# KiCad board KlusterLab r2.0.kicad_pcb (continued)
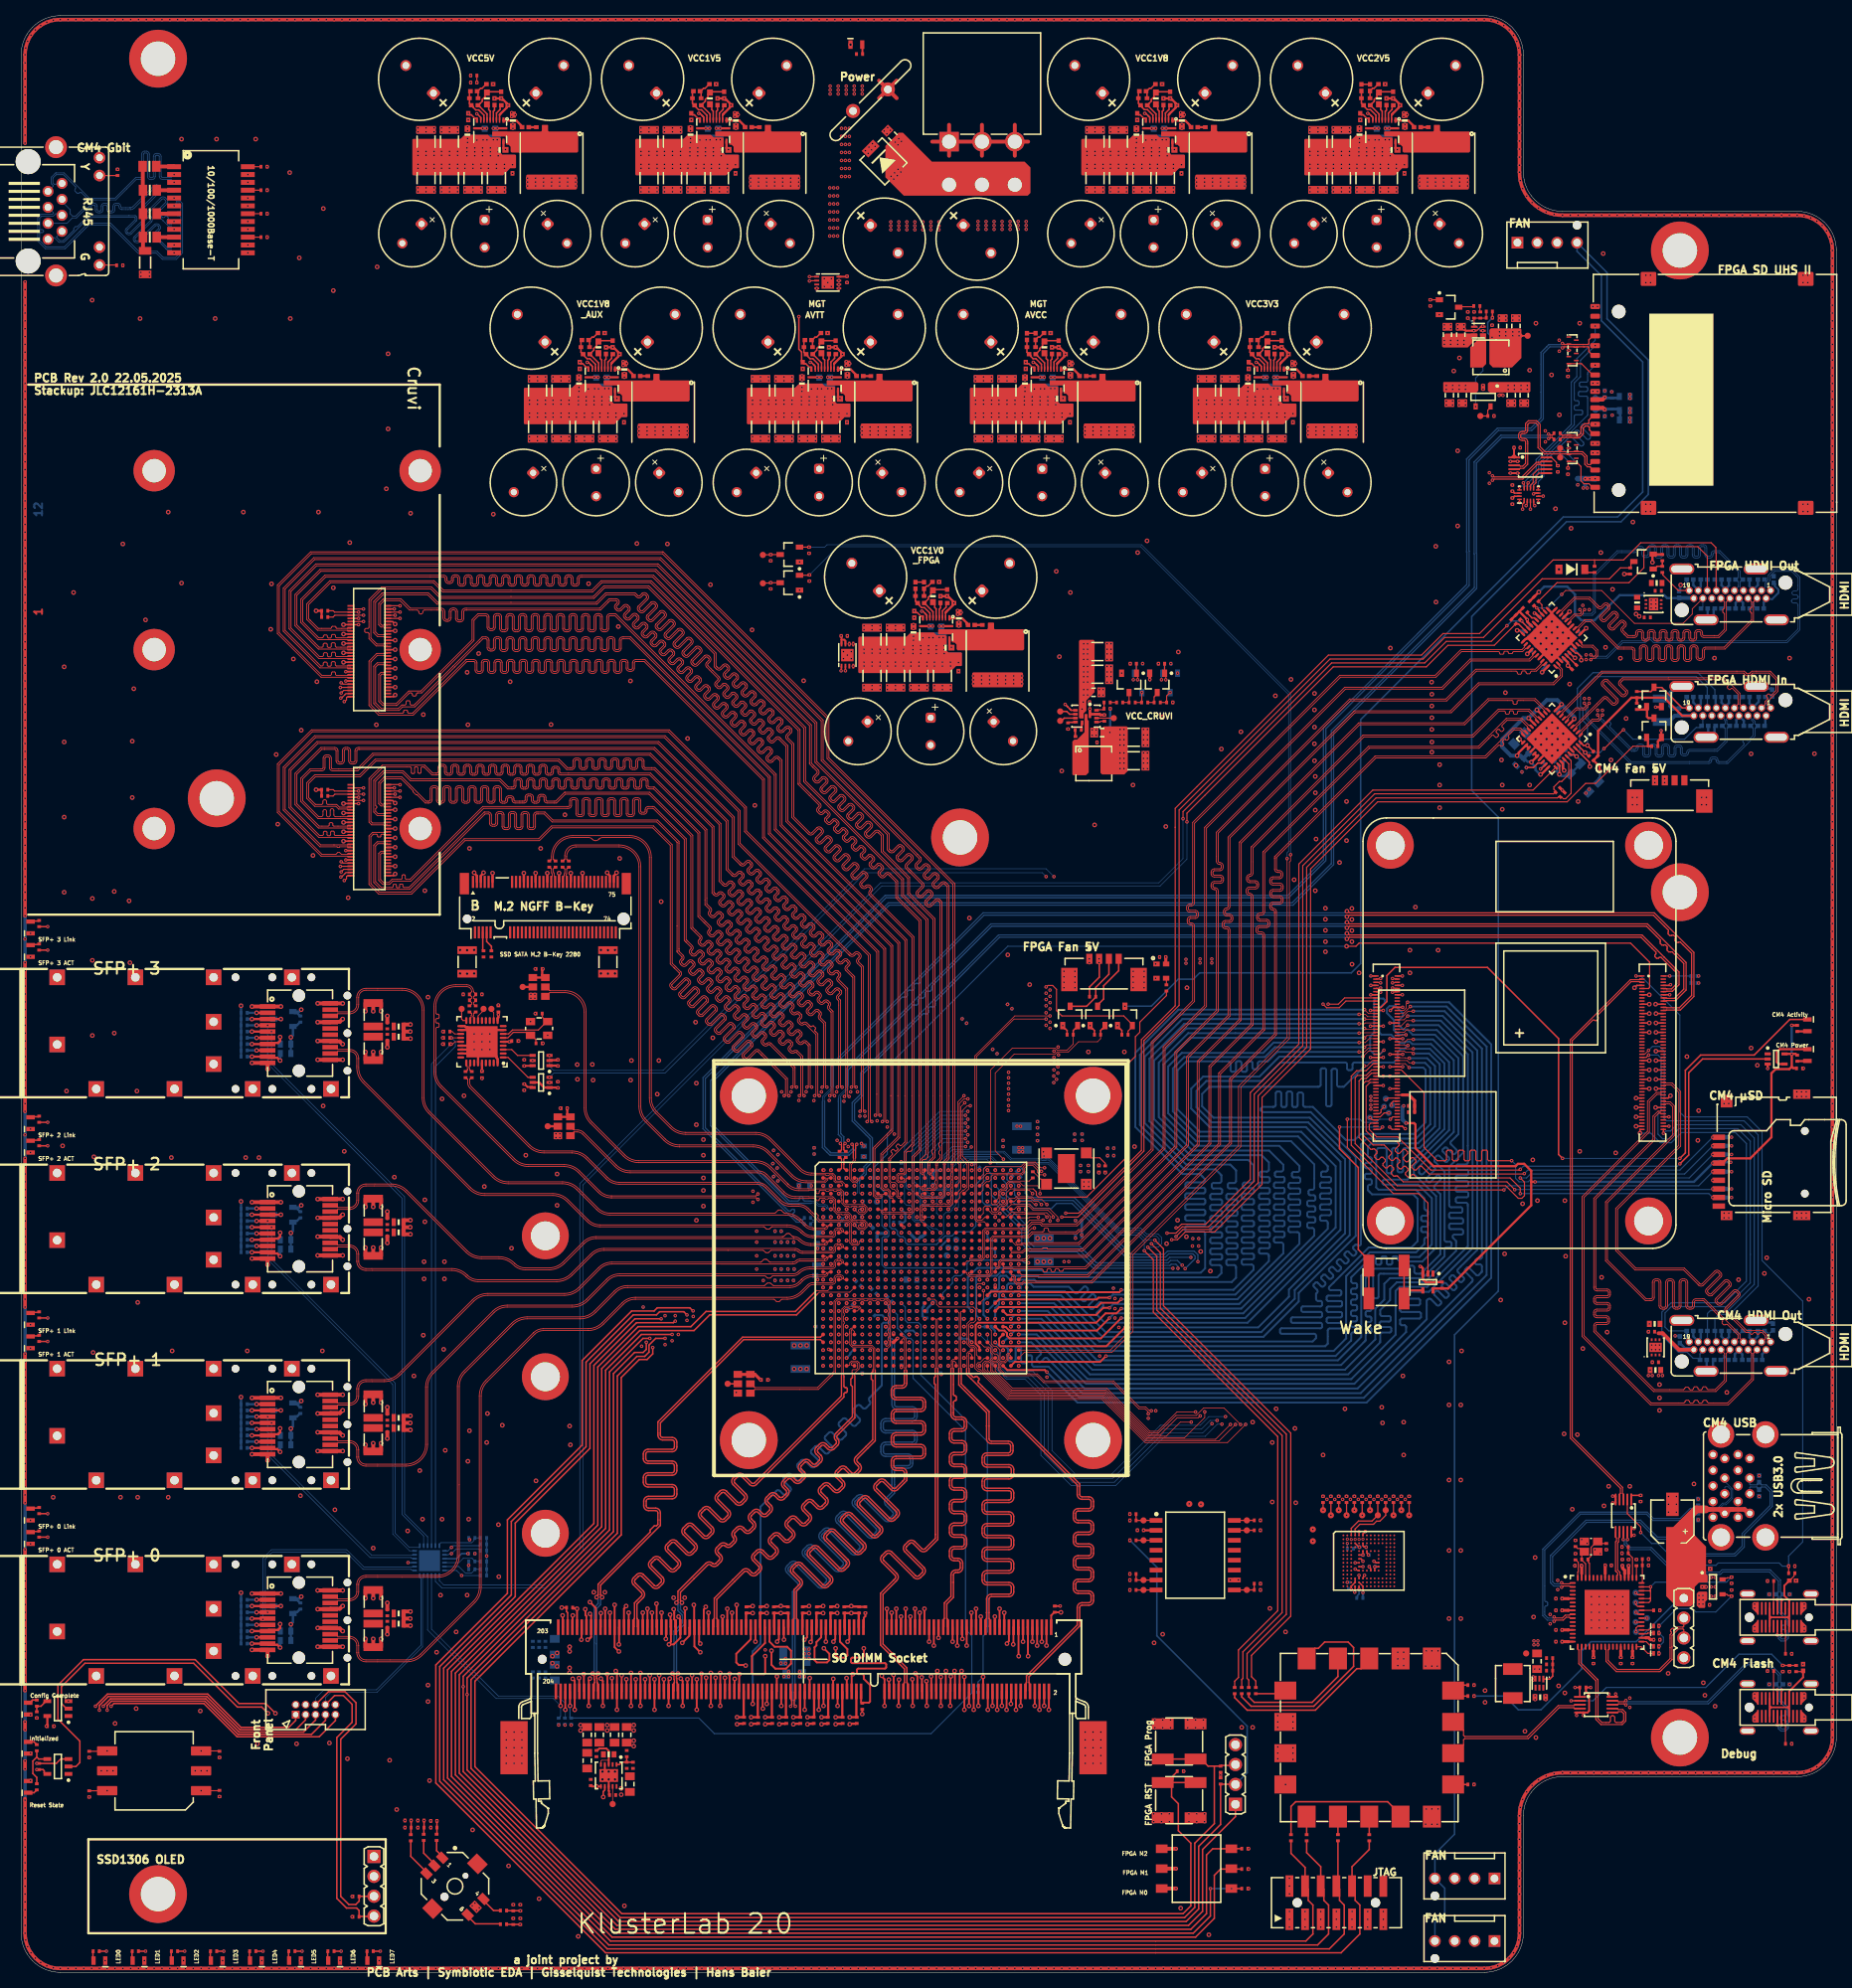
[diagram p0: board, top side]
## Routing (per net, layer and track width the routed paths; a pad name or vN(x,y) marks a point on that pad's centre or on a via; arc(x,y) is an arc through that point) (continued)
DDR3_D59: length 71.5
  L1 Top w0.249: v2(71.6,42.5) 71.63,42.53 71.63,44.08 J1.193
  L3 Inner2 (Sig) w0.154: v2(71.6,42.5) 71.6,46.7 71.3,47 71.3,63.8 72.02,64.52 arc(72.13,64.57) 72.24,64.52 72.49,64.26 arc(72.6,64.22) 72.71,64.26 72.92,64.48 arc(72.97,64.58) 72.92,64.69 72.59,65.03 arc(72.54,65.13) 72.59,65.24 72.8,65.45 arc(72.91,65.5) 73.01,65.45 73.35,65.12 arc(73.46,65.07) 73.56,65.12 73.78,65.33 arc(73.82,65.44) 73.78,65.55 73.44,65.88 arc(73.4,65.99) 73.44,66.1 73.65,66.31 arc(73.76,66.35) 73.87,66.31 74.2,65.97 arc(74.31,65.93) 74.42,65.97 74.63,66.19 arc(74.67,66.29) 74.63,66.4 74.29,66.74 arc(74.25,66.84) 74.29,66.95 74.51,67.16 arc(74.61,67.21) 74.72,67.16 75.06,66.83 arc(75.16,66.78) 75.27,66.83 75.48,67.04 arc(75.53,67.15) 75.48,67.25 75.15,67.59 arc(75.1,67.7) 75.15,67.8 75.36,68.02 arc(75.47,68.06) 75.58,68.02 75.91,67.68 arc(76.02,67.64) 76.13,67.68 76.34,67.89 arc(76.38,68) 76.34,68.11 76,68.44 arc(75.96,68.55) 76,68.66 76.22,68.87 arc(76.32,68.92) 76.43,68.87 76.66,68.64 arc(76.77,68.6) 76.88,68.64 77.09,68.85 arc(77.13,68.96) 77.09,69.07 76.94,69.22 arc(76.89,69.33) 76.94,69.44 77.9,70.4 92.5,85 103,85 v1(103.5,85.5)
DDR3_D60: length 67.8
  L1 Top w0.249: J1.180 75.53,35.93 75.53,37.58 v2(75.5,37.6)
  L3 Inner2 (Sig) w0.154: v2(75.5,37.6) 75.5,39.48 arc(75.55,39.59) 75.65,39.64 76.59,39.64 arc(76.7,39.68) 76.74,39.79 76.74,40.09 arc(76.7,40.19) 76.59,40.24 75.45,40.24 arc(75.35,40.28) 75.3,40.39 75.3,40.69 arc(75.35,40.8) 75.45,40.84 75.77,40.84 arc(75.88,40.89) 75.92,40.99 75.92,41.3 arc(75.88,41.4) 75.77,41.45 75.65,41.45 arc(75.55,41.49) 75.5,41.6 75.5,42.3 76.4,43.2 76.4,43.56 arc(76.35,43.67) 76.25,43.72 75.88,43.72 arc(75.77,43.76) 75.73,43.87 75.73,44.17 arc(75.77,44.28) 75.88,44.32 76.25,44.32 arc(76.35,44.37) 76.4,44.47 76.4,49.4 86.5,59.5 86.5,60.87 arc(86.55,60.98) 86.65,61.02 86.73,61.02 arc(86.84,61.07) 86.88,61.17 86.88,61.47 arc(86.84,61.58) 86.73,61.63 86.4,61.63 arc(86.3,61.67) 86.25,61.78 86.25,62.08 arc(86.3,62.19) 86.4,62.23 86.73,62.23 arc(86.84,62.27) 86.88,62.38 86.88,62.68 arc(86.84,62.79) 86.73,62.83 86.4,62.83 arc(86.3,62.88) 86.25,62.99 86.25,63.29 arc(86.3,63.39) 86.4,63.44 86.73,63.44 arc(86.84,63.48) 86.88,63.59 86.88,63.89 arc(86.84,64) 86.73,64.04 86.4,64.04 arc(86.3,64.09) 86.25,64.19 86.25,64.5 arc(86.3,64.6) 86.4,64.65 86.73,64.65 arc(86.84,64.69) 86.88,64.8 86.88,65.1 arc(86.84,65.21) 86.73,65.25 86.4,65.25 arc(86.3,65.29) 86.25,65.4 86.25,65.7 arc(86.3,65.81) 86.4,65.85 86.66,65.85 arc(86.77,65.9) 86.81,66.01 86.81,66.31 arc(86.77,66.41) 86.66,66.46 86.65,66.46 arc(86.55,66.5) 86.5,66.61 86.5,68.5 96.6,78.6 100.1,78.6 102,80.5 v1(103.5,80.5)
DDR3_D61: length 71.9
  L1 Top w0.249: v2(74.9,38.1) 74.93,38.08 74.93,35.93 J1.182
  L3 Inner2 (Sig) w0.154: v2(74.9,38.1) 74.9,44.1 73.6,45.4 73.6,46.6 74.7,47.7 74.7,47.7 74.73,47.73 74.73,48.01 75.1,48.38 75.1,48.8 74.5,49.4 74.5,57 75.29,57.79 arc(75.34,57.9) 75.29,58.01 75.27,58.03 arc(75.22,58.14) 75.27,58.25 75.48,58.46 arc(75.59,58.5) 75.69,58.46 75.88,58.28 arc(75.98,58.24) 76.09,58.28 76.3,58.49 arc(76.35,58.6) 76.3,58.71 76.12,58.89 arc(76.08,58.99) 76.12,59.1 76.34,59.31 arc(76.44,59.36) 76.55,59.31 76.73,59.13 arc(76.84,59.09) 76.94,59.13 77.16,59.35 arc(77.2,59.45) 77.16,59.56 76.98,59.74 arc(76.93,59.85) 76.98,59.96 77.19,60.17 arc(77.3,60.21) 77.4,60.17 77.58,59.99 arc(77.69,59.94) 77.8,59.99 78.01,60.2 arc(78.06,60.31) 78.01,60.42 77.83,60.6 arc(77.79,60.7) 77.83,60.81 78.04,61.02 arc(78.15,61.07) 78.26,61.02 78.44,60.84 arc(78.55,60.8) 78.65,60.84 78.87,61.06 arc(78.91,61.16) 78.87,61.27 78.68,61.45 arc(78.64,61.56) 78.68,61.66 78.9,61.88 arc(79.01,61.92) 79.11,61.88 79.29,61.7 arc(79.4,61.65) 79.51,61.7 79.72,61.91 arc(79.76,62.02) 79.72,62.12 79.54,62.3 arc(79.49,62.41) 79.54,62.52 79.75,62.73 arc(79.86,62.78) 79.97,62.73 80.15,62.55 arc(80.25,62.51) 80.36,62.55 80.57,62.76 arc(80.62,62.87) 80.57,62.98 80.45,63.1 arc(80.41,63.2) 80.45,63.31 80.67,63.52 arc(80.78,63.57) 80.88,63.52 80.95,63.45 arc(81.06,63.41) 81.17,63.45 81.38,63.67 arc(81.42,63.77) 81.38,63.88 81.27,63.99 arc(81.23,64.1) 81.27,64.2 81.48,64.42 arc(81.59,64.46) 81.7,64.42 arc(81.81,64.37) 81.92,64.42 82.5,65 82.5,69 96.5,83 104,83 v1(104.5,83.5)
DDR3_D62: length 70.7
  L1 Top w0.249: J1.192 71.93,35.93 71.93,38.08 v2(71.9,38.1)
  L3 Inner2 (Sig) w0.154: v1(103.5,83.5) 103,84 94.5,84 80.5,70 80.5,67.8 72.2,59.5 72.2,47.1 73.2,46.1 73.2,45 73.8,44.4 73.8,43 73.3,42.5 73.3,40.7 arc(73.25,40.59) 73.15,40.54 71.98,40.54 arc(71.87,40.5) 71.83,40.39 71.83,40.09 arc(71.87,39.98) 71.98,39.94 73.15,39.94 arc(73.25,39.89) 73.3,39.78 73.3,39.5 v2(71.9,38.1)
DDR3_D63: length 70
  L1 Top w0.249: J1.194 71.33,35.93 71.33,37.58 v2(71.3,37.6)
  L3 Inner2 (Sig) w0.154: v2(71.3,37.6) 71.3,41.3 70.5,42.1 70.5,44.8 70.98,45.28 70.98,45.85 70.57,46.25 70.57,64.57 91.5,85.5 v1(102.5,85.5)
DDR3_DM0: length 57.2
  L1 Top w0.249: v2(128.7,40.4) 128.68,40.43 128.68,44.08 J1.11
  L3 Inner2 (Sig) w0.154: v2(128.7,40.4) 128.7,40.39 128.4,40.09 128.4,38.1 128.6,37.9 129.3,37.9 129.6,38.2 129.6,40.9 128.7,41.8 128.7,43.74 arc(128.75,43.85) 128.85,43.89 128.94,43.89 arc(129.05,43.94) 129.09,44.04 129.09,44.34 arc(129.05,44.45) 128.94,44.5 128.85,44.5 arc(128.74,44.54) 128.7,44.65 128.7,44.95 arc(128.74,45.06) 128.85,45.1 129.04,45.1 arc(129.15,45.14) 129.2,45.25 129.2,45.55 arc(129.15,45.66) 129.04,45.7 128.85,45.7 arc(128.74,45.75) 128.7,45.85 128.7,46.16 arc(128.74,46.26) 128.85,46.31 129.04,46.31 arc(129.15,46.35) 129.2,46.46 129.2,46.76 arc(129.15,46.87) 129.04,46.91 128.85,46.91 arc(128.75,46.96) 128.7,47.07 128.7,48.4 127.5,49.6 127.5,72.4 124.5,75.4 124.5,78.4 124,78.9 124,79.7 123.7,80 121.3,80 120.82,80.48 120.52,80.48 v1(120.5,80.5)
DDR3_DM1: length 66.8
  L1 Top w0.249: v2(123.55,33.55) J1.28
  L10 Inner9 (Sig) w0.154: v1(118.5,85.5) 118.56,85.44 118.96,85.44 119.4,85 120.4,85 121.4,84 125.7,84 126,83.7 126,83.3 126.3,83 128,83 128.5,82.5 128.5,79.42 arc(128.45,79.31) 128.35,79.26 127.99,79.26 arc(127.88,79.22) 127.83,79.11 127.83,78.81 arc(127.88,78.71) 127.99,78.66 128.47,78.66 arc(128.58,78.62) 128.62,78.51 128.62,78.21 arc(128.58,78.1) 128.47,78.06 128.17,78.06 arc(128.06,78.01) 128.02,77.91 128.02,77.6 arc(128.06,77.5) 128.17,77.45 128.35,77.45 arc(128.45,77.41) 128.5,77.3 128.5,75.8 128,75.3 128,53.8 123.9,49.7 123.9,37.5 123.55,37.15 v2(123.55,33.55)
DDR3_DM2: length 42.6
  L1 Top w0.249: v2(118.2,38.5) 118.18,38.48 118.18,35.93 J1.46
  L3 Inner2 (Sig) w0.154: v1(118.5,77.5) 118.5,70.5 119.5,69.5 119.5,48.8 118.5,47.8 118.5,46.2 118.15,45.85 118.15,38.55 v2(118.2,38.5)
DDR3_DM3: length 53.9
  L1 Top w0.249: J1.63 v2(113.05,46.45)
  L10 Inner9 (Sig) w0.154: v2(113.05,46.45) 113.05,50.05 117.8,54.8 117.8,56.18 arc(117.75,56.29) 117.65,56.33 117.56,56.33 arc(117.45,56.38) 117.4,56.48 117.4,56.78 arc(117.45,56.89) 117.56,56.94 117.77,56.94 arc(117.88,56.98) 117.92,57.09 117.92,57.39 arc(117.88,57.49) 117.77,57.54 117.56,57.54 arc(117.45,57.58) 117.4,57.69 117.4,57.99 arc(117.45,58.1) 117.56,58.14 117.77,58.14 arc(117.88,58.19) 117.92,58.29 117.92,58.6 arc(117.88,58.7) 117.77,58.75 117.56,58.75 arc(117.45,58.79) 117.4,58.9 117.4,59.2 arc(117.45,59.31) 117.56,59.35 117.77,59.35 arc(117.88,59.4) 117.92,59.5 117.92,59.8 arc(117.88,59.91) 117.77,59.96 117.56,59.96 arc(117.45,60) 117.4,60.11 117.4,60.41 arc(117.45,60.51) 117.56,60.56 117.77,60.56 arc(117.88,60.6) 117.92,60.71 117.92,61.01 arc(117.88,61.12) 117.77,61.16 117.56,61.16 arc(117.45,61.21) 117.4,61.31 117.4,61.62 arc(117.45,61.72) 117.56,61.77 117.77,61.77 arc(117.88,61.81) 117.92,61.92 117.92,62.22 arc(117.88,62.33) 117.77,62.37 117.56,62.37 arc(117.45,62.42) 117.4,62.52 117.4,62.82 arc(117.45,62.93) 117.56,62.98 117.77,62.98 arc(117.88,63.02) 117.92,63.13 117.92,63.43 arc(117.88,63.53) 117.77,63.58 117.56,63.58 arc(117.45,63.62) 117.4,63.73 117.4,64.03 arc(117.45,64.14) 117.56,64.18 117.77,64.18 arc(117.88,64.23) 117.92,64.33 117.92,64.64 arc(117.88,64.74) 117.77,64.79 117.56,64.79 arc(117.45,64.83) 117.4,64.94 117.4,65.24 arc(117.45,65.35) 117.56,65.39 117.77,65.39 arc(117.88,65.44) 117.92,65.54 117.92,65.84 arc(117.88,65.95) 117.77,66 117.56,66 arc(117.45,66.04) 117.4,66.15 117.4,66.45 arc(117.45,66.55) 117.56,66.6 117.77,66.6 arc(117.88,66.64) 117.92,66.75 117.92,67.05 arc(117.88,67.16) 117.77,67.2 117.56,67.2 arc(117.45,67.25) 117.4,67.35 117.4,67.66 arc(117.45,67.76) 117.56,67.81 117.77,67.81 arc(117.88,67.85) 117.92,67.96 117.92,68.26 arc(117.88,68.37) 117.77,68.41 117.56,68.41 arc(117.45,68.46) 117.4,68.56 117.4,68.86 arc(117.45,68.97) 117.56,69.02 117.77,69.02 arc(117.88,69.06) 117.92,69.17 117.92,69.47 arc(117.88,69.57) 117.77,69.62 117.56,69.62 arc(117.45,69.66) 117.4,69.77 117.4,70.07 arc(117.45,70.18) 117.56,70.22 117.77,70.22 arc(117.88,70.27) 117.92,70.37 117.92,70.68 arc(117.88,70.78) 117.77,70.83 117.56,70.83 arc(117.45,70.87) 117.4,70.98 117.4,71.28 arc(117.45,71.39) 117.56,71.43 117.77,71.43 arc(117.88,71.48) 117.92,71.58 117.92,71.88 arc(117.88,71.99) 117.77,72.03 117.56,72.03 arc(117.45,72.08) 117.4,72.19 117.4,72.49 arc(117.45,72.59) 117.56,72.64 117.77,72.64 arc(117.88,72.68) 117.92,72.79 117.92,73.09 arc(117.88,73.2) 117.77,73.24 117.65,73.24 arc(117.54,73.29) 117.5,73.39 117.5,73.7 arc(117.54,73.8) 117.65,73.85 117.77,73.85 arc(117.88,73.89) 117.92,74 117.92,74.3 arc(117.88,74.41) 117.77,74.45 117.65,74.45 arc(117.54,74.5) 117.5,74.6 117.5,74.9 arc(117.54,75.01) 117.65,75.05 arc(117.75,75.1) 117.8,75.21 117.8,75.7 118.2,76.1 118.2,76.8 118,77 118,78.7 117.7,79 117.3,79 117,79.3 117,79.7 116.7,80 116.3,80 116,80.3 116,82 v1(115.5,82.5)
DDR3_DM4: length 53.8
  L1 Top w0.249: J1.136 v2(88.75,37.65)
  L10 Inner9 (Sig) w0.154: v2(88.75,37.65) 88.75,39.78 arc(88.8,39.89) 88.9,39.94 88.94,39.94 arc(89.05,39.98) 89.09,40.09 89.09,40.39 arc(89.05,40.49) 88.94,40.54 88.71,40.54 arc(88.61,40.58) 88.56,40.69 88.56,40.99 arc(88.61,41.1) 88.71,41.14 88.94,41.14 arc(89.05,41.19) 89.09,41.29 89.09,41.6 arc(89.05,41.7) 88.94,41.75 88.71,41.75 arc(88.61,41.79) 88.56,41.9 88.56,42.2 arc(88.61,42.31) 88.71,42.35 88.94,42.35 arc(89.05,42.4) 89.09,42.5 89.09,42.8 arc(89.05,42.91) 88.94,42.96 88.9,42.96 arc(88.8,43) 88.75,43.11 88.75,48.95 104,64.2 104,78.7 104.3,79 104.74,79 105,79.26 105,79.7 105.44,80.14 105.44,80.44 v1(105.5,80.5)
DDR3_DM5: length 52.5
  L1 Top w0.249: J1.153 83.6,44.15 83.6,44.98 83.47,45.11 83.47,45.92 83.47,45.92 83.47,46.33 v2(83.4,46.4)
  L3 Inner2 (Sig) w0.154: v1(103.5,77.5) 103.5,76.6 103.5,69 102.59,68.09 arc(102.54,67.98) 102.59,67.87 arc(102.63,67.76) 102.59,67.66 102.37,67.44 arc(102.27,67.4) 102.16,67.44 102.07,67.54 arc(101.96,67.58) 101.85,67.54 101.64,67.32 arc(101.59,67.22) 101.64,67.11 101.7,67.05 arc(101.75,66.94) 101.7,66.83 101.49,66.62 arc(101.38,66.57) 101.27,66.62 101.21,66.68 arc(101.1,66.73) 101,66.68 100.78,66.47 arc(100.74,66.36) 100.78,66.25 100.88,66.16 arc(100.93,66.05) 100.88,65.94 100.67,65.73 arc(100.56,65.69) 100.45,65.73 100.36,65.83 arc(100.25,65.87) 100.14,65.83 99.93,65.61 arc(99.89,65.51) 99.93,65.4 100.03,65.3 arc(100.07,65.2) 100.03,65.09 99.81,64.88 arc(99.71,64.83) 99.6,64.88 99.5,64.97 arc(99.4,65.02) 99.29,64.97 99.08,64.76 arc(99.03,64.65) 99.08,64.55 99.17,64.45 arc(99.22,64.34) 99.17,64.23 98.96,64.02 arc(98.85,63.98) 98.75,64.02 98.65,64.12 arc(98.54,64.16) 98.43,64.12 98.22,63.91 arc(98.18,63.8) 98.22,63.69 98.32,63.59 arc(98.36,63.49) 98.32,63.38 98.1,63.17 arc(98,63.12) 97.89,63.17 97.79,63.26 arc(97.69,63.31) 97.58,63.26 97.37,63.05 arc(97.32,62.94) 97.37,62.84 97.46,62.74 arc(97.51,62.63) 97.46,62.53 97.25,62.31 arc(97.14,62.27) 97.04,62.31 96.94,62.41 arc(96.83,62.45) 96.73,62.41 96.51,62.2 arc(96.47,62.09) 96.51,61.98 96.61,61.89 arc(96.65,61.78) 96.61,61.67 96.4,61.46 arc(96.29,61.41) 96.18,61.46 96.09,61.56 arc(95.98,61.6) 95.87,61.56 95.66,61.34 arc(95.61,61.24) 95.66,61.13 95.76,61.03 arc(95.8,60.92) 95.76,60.82 95.54,60.6 arc(95.44,60.56) 95.33,60.6 95.23,60.7 arc(95.12,60.75) 95.02,60.7 94.8,60.49 arc(94.76,60.38) 94.8,60.27 94.9,60.18 arc(94.95,60.07) 94.9,59.96 94.69,59.75 arc(94.58,59.71) 94.47,59.75 94.38,59.85 arc(94.27,59.89) 94.16,59.85 93.95,59.63 arc(93.91,59.53) 93.95,59.42 94.05,59.32 arc(94.09,59.22) 94.05,59.11 93.83,58.9 arc(93.73,58.85) 93.62,58.9 93.52,58.99 arc(93.42,59.04) 93.31,58.99 93.1,58.78 arc(93.05,58.67) 93.1,58.57 93.19,58.47 arc(93.24,58.36) 93.19,58.26 92.98,58.04 arc(92.87,58) 92.77,58.04 92.67,58.14 arc(92.56,58.18) 92.45,58.14 92.24,57.93 arc(92.2,57.82) 92.24,57.71 92.34,57.61 arc(92.38,57.51) 92.34,57.4 92.13,57.19 arc(92.02,57.14) 91.91,57.19 91.81,57.28 arc(91.71,57.33) 91.6,57.28 91.39,57.07 arc(91.34,56.96) 91.39,56.86 91.48,56.76 arc(91.53,56.65) 91.48,56.55 91.27,56.33 arc(91.16,56.29) 91.06,56.33 90.96,56.43 arc(90.85,56.47) 90.75,56.43 90.53,56.22 arc(90.49,56.11) 90.53,56 90.63,55.91 arc(90.67,55.8) 90.63,55.69 90.42,55.48 arc(90.31,55.43) 90.2,55.48 90.11,55.58 arc(90,55.62) 89.89,55.58 89.68,55.36 arc(89.63,55.26) 89.68,55.15 89.78,55.05 arc(89.82,54.94) 89.78,54.84 89.56,54.62 arc(89.46,54.58) 89.35,54.62 89.25,54.72 arc(89.14,54.77) 89.04,54.72 88.82,54.51 arc(88.78,54.4) 88.82,54.3 88.92,54.2 arc(88.97,54.09) 88.92,53.98 88.71,53.77 arc(88.6,53.73) 88.49,53.77 88.49,53.77 arc(88.38,53.82) 88.27,53.77 87.79,53.29 82.8,48.3 82.8,47 v2(83.4,46.4)
DDR3_DM6: length 75.3
  L1 Top w0.249: J1.170 78.55,37.35 78.6,37.4
  L10 Inner9 (Sig) w0.154: v1(108.5,86.5) 108,86 94.8,86 79,70.2 79,47.3 78.55,46.85 78.55,42.65 arc(78.6,42.54) 78.7,42.49 arc(78.81,42.45) 78.86,42.34 78.86,42.04 arc(78.81,41.93) 78.7,41.89 78.3,41.89 arc(78.19,41.85) 78.15,41.74 78.15,41.44 arc(78.19,41.33) 78.3,41.29 78.9,41.29 arc(79.01,41.24) 79.05,41.13 79.05,40.83 arc(79.01,40.73) 78.9,40.68 78.2,40.68 arc(78.09,40.64) 78.05,40.53 78.05,40.23 arc(78.09,40.12) 78.2,40.08 78.9,40.08 arc(79.01,40.03) 79.05,39.93 79.05,39.62 arc(79.01,39.52) 78.9,39.47 78.2,39.47 arc(78.09,39.43) 78.05,39.32 78.05,39.02 arc(78.09,38.91) 78.2,38.87 78.4,38.87 arc(78.5,38.82) 78.55,38.72 v2(78.55,37.45) 78.55,37.4
DDR3_DM7: length 70.3
  L1 Top w0.249: J1.187 73.45,46.55 v2(72.7,47.3)
  L3 Inner2 (Sig) w0.154: v1(102.5,83.5) 95.5,83.5 81.5,69.5 81.5,67 80.91,66.41 arc(80.87,66.3) 80.91,66.19 81.1,66 arc(81.14,65.9) 81.1,65.79 80.88,65.58 arc(80.78,65.53) 80.67,65.58 80.23,66.02 arc(80.13,66.06) 80.02,66.02 79.81,65.8 arc(79.76,65.7) 79.81,65.59 80.24,65.15 arc(80.29,65.04) 80.24,64.94 80.03,64.72 arc(79.92,64.68) 79.82,64.72 79.38,65.16 arc(79.27,65.21) 79.16,65.16 78.95,64.95 arc(78.91,64.84) 78.95,64.73 79.39,64.3 arc(79.43,64.19) 79.39,64.08 79.18,63.87 arc(79.07,63.82) 78.96,63.87 78.52,64.31 arc(78.42,64.35) 78.31,64.31 78.1,64.09 arc(78.05,63.99) 78.1,63.88 78.54,63.44 arc(78.58,63.34) 78.54,63.23 78.32,63.01 arc(78.22,62.97) 78.11,63.01 77.67,63.45 arc(77.56,63.5) 77.46,63.45 77.24,63.24 arc(77.2,63.13) 77.24,63.03 77.68,62.59 arc(77.73,62.48) 77.68,62.37 77.47,62.16 arc(77.36,62.12) 77.25,62.16 76.82,62.6 arc(76.71,62.64) 76.6,62.6 76.39,62.39 arc(76.34,62.28) 76.39,62.17 76.83,61.73 arc(76.87,61.63) 76.83,61.52 76.61,61.31 arc(76.51,61.26) 76.4,61.31 75.96,61.75 arc(75.85,61.79) 75.75,61.75 75.53,61.53 arc(75.49,61.42) 75.53,61.32 75.97,60.88 arc(76.02,60.77) 75.97,60.67 75.76,60.45 arc(75.65,60.41) 75.55,60.45 75.11,60.89 arc(75,60.94) 74.89,60.89 74.68,60.68 arc(74.64,60.57) 74.68,60.46 75.12,60.03 arc(75.16,59.92) 75.12,59.81 74.91,59.6 arc(74.8,59.55) 74.69,59.6 74.25,60.04 arc(74.15,60.08) 74.04,60.04 73.83,59.82 arc(73.78,59.72) 73.83,59.61 74.26,59.17 arc(74.31,59.06) 74.26,58.96 74.05,58.74 arc(73.94,58.7) 73.84,58.74 73.4,59.18 arc(73.29,59.23) 73.19,59.18 72.97,58.97 arc(72.93,58.86) 72.97,58.76 73,58.72 arc(73.05,58.61) 73,58.5 72.68,58.18 72.68,47.32 v2(72.7,47.3)
DDR3_DQS0_N: length 71.1
  L1 Top w0.1: U1.AE20 121.5,78.87 121.27,79.1 121.16,79.1 121.1,79.04 121.1,77.2 121.16,77.14
  L1 Top w0.189: J1.10 128.87,35.98 128.87,36.96 128.81,37.02 128.81,37.76 135.29,44.25 135.29,46.61 arc(135.38,46.82) 135.59,46.91 136.45,46.91 arc(136.89,47.09) 137.07,47.52 137.07,48.11 arc(136.89,48.55) 136.45,48.73 135.09,48.73 arc(134.88,48.81) 134.79,49.02 134.79,49.62 arc(134.88,49.83) 135.09,49.91 136.45,49.91 arc(136.89,50.09) 137.07,50.53 137.07,51.12 arc(136.89,51.55) 136.45,51.73 135.09,51.73 arc(134.88,51.82) 134.79,52.03 134.79,52.62 arc(134.88,52.84) 135.09,52.92 136.45,52.92 arc(136.89,53.1) 137.07,53.53 137.07,54.13 arc(136.89,54.56) 136.45,54.74 135.09,54.74 arc(134.88,54.83) 134.79,55.04 134.79,55.63 arc(134.88,55.84) 135.09,55.93 136.45,55.93 arc(136.89,56.11) 137.07,56.54 137.07,57.14 arc(136.89,57.57) 136.45,57.75 135.09,57.75 arc(134.88,57.84) 134.79,58.05 134.79,58.64 arc(134.88,58.85) 135.09,58.94 136.45,58.94 arc(136.89,59.12) 137.07,59.55 137.07,60.14 arc(136.89,60.58) 136.45,60.76 135.59,60.76 arc(135.38,60.84) 135.29,61.05 135.29,62.41 122.87,74.83 122.35,75.35 arc(122.3,75.48) 122.35,75.61 122.41,75.67 arc(122.45,75.78) 122.41,75.89 122.18,76.12 arc(122.07,76.17) 121.96,76.12 121.9,76.07 arc(121.77,76.01) 121.63,76.07 121.16,76.54 121.16,77.14
DDR3_DQS0_P: length 70.6
  L1 Top w0.1: 120.9,78.81 120.9,77.2 120.84,77.14 ; U1.AD20 121.44,79.5 121.24,79.3 121.08,79.3 120.9,79.12 120.9,78.67
  L1 Top w0.189: 120.84,77.14 120.84,76.41 121.38,75.87 134.98,62.28 134.98,61.05 arc(135.16,60.62) 135.59,60.44 136.45,60.44 arc(136.66,60.36) 136.75,60.14 136.75,59.55 arc(136.66,59.34) 136.45,59.25 135.09,59.25 arc(134.66,59.07) 134.48,58.64 134.48,58.05 arc(134.66,57.61) 135.09,57.43 136.45,57.43 arc(136.66,57.35) 136.75,57.14 136.75,56.54 arc(136.66,56.33) 136.45,56.25 135.09,56.25 arc(134.66,56.07) 134.48,55.63 134.48,55.04 arc(134.66,54.61) 135.09,54.43 136.45,54.43 arc(136.66,54.34) 136.75,54.13 136.75,53.53 arc(136.66,53.32) 136.45,53.24 135.09,53.24 arc(134.66,53.06) 134.48,52.62 134.48,52.03 arc(134.66,51.6) 135.09,51.42 136.45,51.42 arc(136.66,51.33) 136.75,51.12 136.75,50.53 arc(136.66,50.32) 136.45,50.23 135.09,50.23 arc(134.66,50.05) 134.48,49.62 134.48,49.02 arc(134.66,48.59) 135.09,48.41 136.45,48.41 arc(136.66,48.32) 136.75,48.11 136.75,47.52 arc(136.66,47.31) 136.45,47.22 135.59,47.22 arc(135.16,47.04) 134.98,46.61 134.98,44.38 128.49,37.89 128.49,37.02 128.43,36.96 128.43,35.98 J1.12
DDR3_DQS1_N: length 89.9
  L1 Top w0.1: 120.16,77.14 120.1,77.2 120.1,84.36 120.16,84.42 120.42,84.42 U1.W19
  L1 Top w0.189: 123.71,71.64 120.16,75.19 120.16,77.14 ; 123.71,71.64 122.17,73.17 ; 123.71,71.64 123.71,68.17 arc(123.79,67.96) 124,67.87 126.16,67.87 arc(126.6,67.69) 126.78,67.26 126.78,66.66 arc(126.6,66.23) 126.16,66.05 123.43,66.05 arc(123.22,65.96) 123.13,65.75 123.13,65.16 arc(123.22,64.95) 123.43,64.86 126.25,64.86 arc(126.68,64.68) 126.86,64.25 126.86,63.65 arc(126.68,63.22) 126.25,63.04 123.43,63.04 arc(123.22,62.95) 123.13,62.74 123.13,62.15 arc(123.22,61.94) 123.43,61.85 126.25,61.85 arc(126.68,61.67) 126.86,61.24 126.86,60.65 arc(126.68,60.21) 126.25,60.03 123.43,60.03 arc(123.22,59.95) 123.13,59.74 123.13,59.14 arc(123.22,58.93) 123.43,58.85 126.25,58.85 arc(126.68,58.67) 126.86,58.23 126.86,57.64 arc(126.68,57.21) 126.25,57.03 123.43,57.03 arc(123.22,56.94) 123.13,56.73 123.13,56.13 arc(123.22,55.92) 123.43,55.84 126.25,55.84 arc(126.68,55.66) 126.86,55.22 126.86,54.63 arc(126.68,54.2) 126.25,54.02 123.43,54.02 arc(123.22,53.93) 123.13,53.72 123.13,53.13 arc(123.22,52.92) 123.43,52.83 126.25,52.83 arc(126.68,52.65) 126.86,52.22 126.86,51.62 arc(126.68,51.19) 126.25,51.01 123.43,51.01 arc(123.22,50.92) 123.13,50.71 123.13,50.12 arc(123.22,49.91) 123.43,49.82 126.25,49.82 arc(126.68,49.64) 126.86,49.21 126.86,48.61 arc(126.68,48.18) 126.25,48 124,48 arc(123.79,47.91) 123.71,47.7 123.71,45.22 123.77,45.16 123.77,44.18 J1.27
DDR3_DQS1_P: length 87.7
  L1 Top w0.1: 119.84,77.14 119.9,77.2 119.9,84.23 119.71,84.42 119.58,84.42 U1.W18
  L1 Top w0.189: 119.84,77.14 119.84,75.06 123.39,71.51 123.39,68.17 arc(123.57,67.73) 124,67.55 126.16,67.55 arc(126.37,67.47) 126.46,67.26 126.46,66.66 arc(126.37,66.45) 126.16,66.37 123.43,66.37 arc(122.99,66.19) 122.82,65.75 122.82,65.16 arc(122.99,64.73) 123.43,64.55 126.25,64.55 arc(126.46,64.46) 126.55,64.25 126.55,63.65 arc(126.46,63.44) 126.25,63.36 123.43,63.36 arc(122.99,63.18) 122.82,62.74 122.82,62.15 arc(122.99,61.72) 123.43,61.54 126.25,61.54 arc(126.46,61.45) 126.55,61.24 126.55,60.65 arc(126.46,60.44) 126.25,60.35 123.43,60.35 arc(122.99,60.17) 122.82,59.74 122.82,59.14 arc(122.99,58.71) 123.43,58.53 126.25,58.53 arc(126.46,58.44) 126.55,58.23 126.55,57.64 arc(126.46,57.43) 126.25,57.34 123.43,57.34 arc(122.99,57.16) 122.82,56.73 122.82,56.13 arc(122.99,55.7) 123.43,55.52 126.25,55.52 arc(126.46,55.43) 126.55,55.22 126.55,54.63 arc(126.46,54.42) 126.25,54.33 123.43,54.33 arc(122.99,54.15) 122.82,53.72 122.82,53.13 arc(122.99,52.69) 123.43,52.51 126.25,52.51 arc(126.46,52.43) 126.55,52.22 126.55,51.62 arc(126.46,51.41) 126.25,51.33 123.43,51.33 arc(122.99,51.15) 122.82,50.71 122.82,50.12 arc(122.99,49.69) 123.43,49.51 126.25,49.51 arc(126.46,49.42) 126.55,49.21 126.55,48.61 arc(126.46,48.4) 126.25,48.32 124,48.32 arc(123.57,48.14) 123.39,47.7 123.39,45.22 123.33,45.16 123.33,44.18 J1.29
DDR3_DQS2_N: length 55.4
  L1 Top w0.1: 119.16,77.14 119.1,77.2 119.1,78.04 119.16,78.1 119.27,78.1 119.5,77.87 U1.AF18
  L1 Top w0.189: J1.45 118.37,44.18 118.37,45.16 118.31,45.22 118.31,47.06 119.16,47.91 119.16,50.79 arc(119.24,51) 119.45,51.08 119.73,51.08 arc(120.16,51.26) 120.34,51.7 120.34,52.29 arc(120.16,52.72) 119.73,52.9 119.25,52.9 arc(119.04,52.99) 118.95,53.2 118.95,53.79 arc(119.04,54) 119.25,54.09 120.24,54.09 arc(120.67,54.27) 120.85,54.7 120.85,55.3 arc(120.67,55.73) 120.24,55.91 119.25,55.91 arc(119.04,56) 118.95,56.21 118.95,56.8 arc(119.04,57.01) 119.25,57.1 120.24,57.1 arc(120.67,57.28) 120.85,57.71 120.85,58.31 arc(120.67,58.74) 120.24,58.92 119.25,58.92 arc(119.04,59.01) 118.95,59.22 118.95,59.81 arc(119.04,60.02) 119.25,60.11 120.24,60.11 arc(120.67,60.29) 120.85,60.72 120.85,61.31 arc(120.67,61.75) 120.24,61.93 119.25,61.93 arc(119.04,62.01) 118.95,62.22 118.95,62.82 arc(119.04,63.03) 119.25,63.12 120.24,63.12 arc(120.67,63.29) 120.85,63.73 120.85,64.32 arc(120.67,64.76) 120.24,64.93 119.25,64.93 arc(119.04,65.02) 118.95,65.23 118.95,65.83 arc(119.04,66.04) 119.25,66.12 120.24,66.12 arc(120.67,66.3) 120.85,66.74 120.85,67.33 arc(120.67,67.76) 120.24,67.94 119.25,67.94 arc(119.04,68.03) 118.95,68.24 118.95,68.83 arc(119.04,69.04) 119.25,69.13 120.24,69.13 arc(120.67,69.31) 120.85,69.74 120.85,70.34 arc(120.67,70.77) 120.24,70.95 119.45,70.95 arc(119.24,71.04) 119.16,71.25 119.16,72.83 arc(119.21,72.97) 119.35,73.02 119.37,73.02 arc(119.48,73.07) 119.53,73.18 119.53,73.5 arc(119.48,73.61) 119.37,73.66 119.35,73.66 arc(119.21,73.71) 119.16,73.85 119.16,77.14
DDR3_DQS2_P: length 54.9
  L1 Top w0.1: U1.AE18 119.44,78.5 119.24,78.3 119.08,78.3 118.9,78.12 118.9,77.2 118.84,77.14
  L1 Top w0.189: 118.84,77.14 118.84,71.25 arc(119.02,70.81) 119.45,70.64 120.24,70.64 arc(120.45,70.55) 120.53,70.34 120.53,69.74 arc(120.45,69.53) 120.24,69.45 119.25,69.45 arc(118.82,69.27) 118.64,68.83 118.64,68.24 arc(118.82,67.81) 119.25,67.63 120.24,67.63 arc(120.45,67.54) 120.53,67.33 120.53,66.74 arc(120.45,66.53) 120.24,66.44 119.25,66.44 arc(118.82,66.26) 118.64,65.83 118.64,65.23 arc(118.82,64.8) 119.25,64.62 120.24,64.62 arc(120.45,64.53) 120.53,64.32 120.53,63.73 arc(120.45,63.52) 120.24,63.43 119.25,63.43 arc(118.82,63.25) 118.64,62.82 118.64,62.22 arc(118.82,61.79) 119.25,61.61 120.24,61.61 arc(120.45,61.52) 120.53,61.31 120.53,60.72 arc(120.45,60.51) 120.24,60.42 119.25,60.42 arc(118.82,60.24) 118.64,59.81 118.64,59.22 arc(118.82,58.78) 119.25,58.6 120.24,58.6 arc(120.45,58.52) 120.53,58.31 120.53,57.71 arc(120.45,57.5) 120.24,57.41 119.25,57.41 arc(118.82,57.24) 118.64,56.8 118.64,56.21 arc(118.82,55.77) 119.25,55.6 120.24,55.6 arc(120.45,55.51) 120.53,55.3 120.53,54.7 arc(120.45,54.49) 120.24,54.41 119.25,54.41 arc(118.82,54.23) 118.64,53.79 118.64,53.2 arc(118.82,52.77) 119.25,52.59 119.73,52.59 arc(119.94,52.5) 120.03,52.29 120.03,51.7 arc(119.94,51.49) 119.73,51.4 119.45,51.4 arc(119.02,51.22) 118.84,50.79 118.84,48.04 117.99,47.19 117.99,45.22 117.93,45.16 117.93,44.18 J1.47
DDR3_DQS3_N: length 65.4
  L1 Top w0.1: U1.Y16 117.16,83.5 117.1,83.44 117.1,77.2 117.16,77.14
  L1 Top w0.189: 117.16,77.14 117.16,55.31 115.76,53.91 arc(115.33,53.73) 114.89,53.91 114,54.81 arc(113.79,54.9) 113.58,54.81 113.16,54.39 arc(113.07,54.18) 113.16,53.97 115.39,51.74 arc(115.57,51.3) 115.39,50.87 114.97,50.45 arc(114.54,50.27) 114.1,50.45 111.08,53.47 arc(110.87,53.56) 110.66,53.47 110.24,53.05 arc(110.16,52.84) 110.24,52.63 111.93,50.95 arc(112.11,50.51) 111.93,50.08 110.16,48.31 110.16,41.94 113.21,38.89 113.21,37.02 113.27,36.96 113.27,35.98 J1.62
